# Altium PCB Power_Board_2.PcbDoc (part 6 of 6)
Units mil, origin at the board's own origin, x right, y up, seen from the top; angles counter-clockwise.
Board outline 6295 x 3940 mil, 4 copper layers (Top Layer, Layer 1, Layer 2, Bottom Layer), stack 70.112 mil thick; 302 components, 180 nets, 927 pads, 3118 vias.
Unrouted connection lines stored in the file: 443.
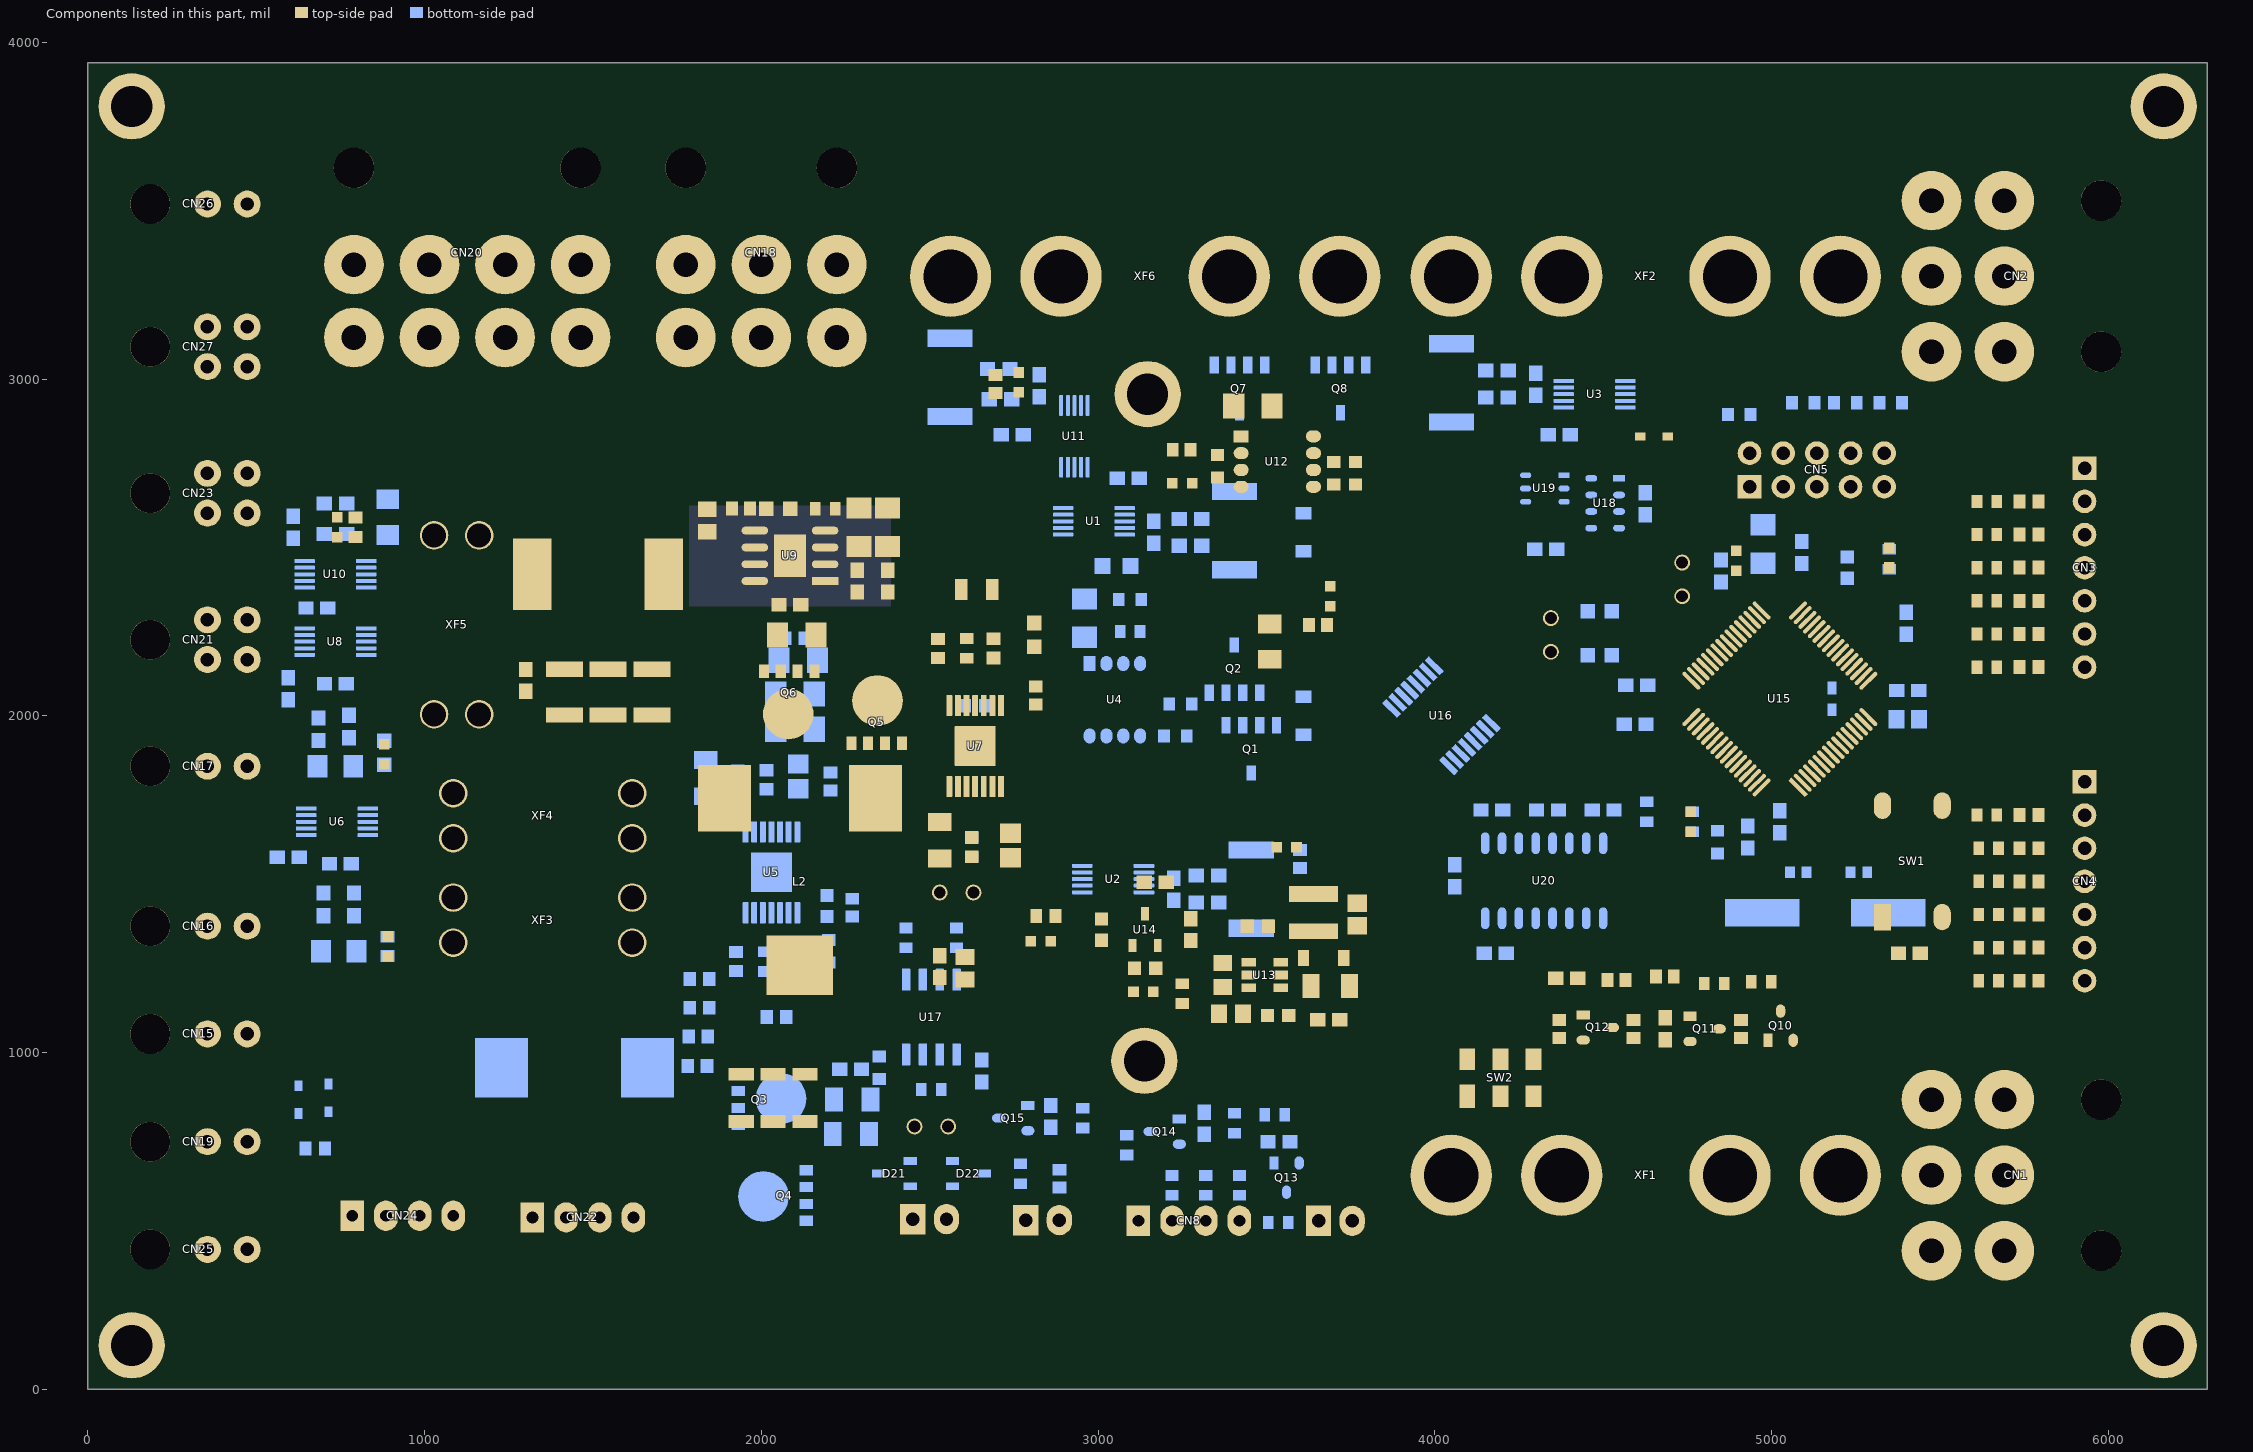
[diagram p7: the components of this part, seen from the top]

## Polygon pours and split planes (outlines as drawn) (continued)
NetR66_2 on Bottom Layer "PWR_LOW" (solid, pour order 0): 855,2570 855,2505 915,2505 cw(c915,2495) 925,2495 ccw(c935,2495) 935,2485 1165,2485 ccw(c1165,2535) 1215,2535 1215,2540 ccw(c1165,2540) 1165,2590 935.67,2590 ccw(c935.67,2579.26) 924.93,2579.26 cw(c915.67,2579.26) 915.67,2570
Motor_PWR on Bottom Layer "Batt_30A" (solid, pour order 52): 4120,2955 ccw(c4090,2955) 4090,2985 3340,2985 ccw(c3340,2965) 3320,2965 3320,2650 ccw(c3330,2650) 3330,2640 4020,2640 ccw(c4020,2740) 4120,2740
Battery1_raw on Bottom Layer "Batt_30A" (solid, pour order 4): 5575,3530 ccw(c5475,3530) 5475,3630 4760,3630 ccw(c4760,3530) 4660,3530 4660,3085 ccw(c4760,3085) 4760,2985 5480,2985 ccw(c5480,3080) 5575,3080
NetR74_2 on Bottom Layer "Batt_30A" (solid, pour order 31): 3110,3385 ccw(c3010,3385) 3010,3485 2455,3485 ccw(c2455,3390) 2360,3390 2360,3190 ccw(c2465,3190) 2465,3085 3010,3085 ccw(c3010,3185) 3110,3185
Battery1 on Bottom Layer "Batt_30A" (solid, pour order 34): 4610,3385 ccw(c4510,3385) 4510,3485 3990,3485 ccw(c3990,3385) 3890,3385 3890,3165 ccw(c3980,3165) 3980,3075 4510,3075 ccw(c4510,3175) 4610,3175
System_PWR on Bottom Layer "Batt_30A" (solid, pour order 43): 3555,1570 3555,1915 3155,1915 3155,1570
NetQ1_1 on Bottom Layer "Batt_30A" (solid, pour order 45): 3360,1940 3360,2100 3500,2100 3500,1940
16V_EXT on Bottom Layer "PWR_LOW" (solid, pour order 59): 925,2610 925,2685 ccw(c840.5,2685) 900.25,2744.75 689.29,2955.71 cw(c760,3026.42) 660,3026.42 660,3545 ccw(c630,3545) 630,3575 485,3575 ccw(c485,3520) 430,3520 430,3490 ccw(c470,3490) 470,3450 cw(c470,3385) 535,3385 535,2961.42 ccw(c635,2961.42) 564.29,2890.71 837.93,2617.07 ccw(c855,2634.14) 855,2610
12V_EXT on Bottom Layer "PWR_LOW" (solid, pour order 60): 710,1925 ccw(c685,1925) 685,1950 455,1950 ccw(c455,1925) 430,1925 430,1780 ccw(c460,1780) 460,1750 685,1750 ccw(c685,1775) 710,1775
5V_EXT on Bottom Layer "PWR_LOW" (solid, pour order 61): 480,1425 ccw(c480,1375) 430,1375 430,1275 ccw(c480,1275) 480,1225 695,1225 ccw(c695,1250) 720,1250 720,1400 ccw(c695,1400) 695,1425
System_PWR on Bottom Layer "PWR_LOW" (solid, pour order 84): 3155,1915 3150,1915 ccw(c3150,1910) 3145,1910 cw(c3140,1910) 3140,1905 2925,1905 2925,1585 3140,1585 cw(c3140,1580) 3145,1580 ccw(c3155,1580) 3155,1570
NetQ7_1 on Bottom Layer "Batt_30A" (solid, pour order 39): 3220,3085 cw(c3220,3185) 3120,3185 3120,3385 cw(c3220,3385) 3220,3485 3780,3485 cw(c3780,3385) 3880,3385 3880,3180 cw(c3785,3180) 3785,3085 3780,3085 ccw(c3780,3070) 3765,3070 3765,3010 cw(c3760,3010) 3760,3005 3570,3005 cw(c3570,3015) 3560,3015 3560,3070 ccw(c3545,3070) 3545,3085 3480,3085 ccw(c3480,3070) 3465,3070 3465,3010 cw(c3460,3010) 3460,3005 3300,3005 cw(c3300,3020) 3285,3020 3285,3060 ccw(c3260,3060) 3260,3085
no net on Bottom Solder "NONET_L-01_P-001" (solid): 3320,2865 3320,2650 ccw(c3330,2650) 3330,2640 4020,2640 ccw(c4020,2740) 4120,2740 4120,2865
NetQ1_1 on Bottom Solder "Batt_30A" (solid, pour order 40): 3360,1942.35 3360,2100 3500,2100 3500,1942.35
System_PWR on Bottom Solder "Batt_30A" (solid, pour order 41): 3555,1570 3555,1915 3355,1915 3355,1570
NetQ2_5 on Bottom Solder "Batt_30A" (solid, pour order 44): 3305,2130 3505,2130 3505,2465 3305,2465
GND on Layer 1 "GND_L02_P112" (solid, remove dead copper, pour order 112): 5,3940 6295,3940 6295,0 0,0

## Keep-outs
Keep-Out Layer:
  region: 0,3940 6295,3940 6295,0 0,0

## Other copper
Bottom Layer:
  pour cut-out: 5945,1150 ccw(c5945,1190) 5985,1190 5985,2770 ccw(c5955,2770) 5955,2800 5875,2800 5875,1150

## Silkscreen, mask and mechanical layers (free items; w line width, h text height)
Top Overlay:
  lines w10: 555,3305 625,3235 625,2990 925,2690 925,1700 565,1700 ; 560,1530 607.5,1482.5 1380,710 1600,710 1725,585 ; 647.5,2992.5 940,2700 2370,2700 2370,2985
  text "16V" at 556,3564 h36 r270
  text "Power Board 2.0 Spring 2022 Marie Nikkel" at 3000,3560 h60
  text "5V" at 556,3184 h36 r270
  text "12V" at 556,3084 h36 r270
  text "VBatt" at 864,2994 h36 r180
  text "VBatt" at 1089,2994 h36 r180
  text "VBatt" at 1309,2994 h36 r180
  text "5V" at 1489,2994 h36 r180
  text "VBatt" at 1844,2994 h36 r180
  text "VBatt" at 2079,2994 h36 r180
  text "5V" at 2254,2994 h36 r180
  text "Torpedo 30A" at 2272,2920.34 h50 r180
  text "Motors 60A" at 1357,2917 h50 r180
  text "VBatt 18V to 28V" at 2050,2800 h60 r180
  text "5V" at 556,2744 h36 r270
  text "12V" at 556,2644 h36 r270
  text "12V 10A" at 840,2590 h60 r270
  text "Dropper / Grabber" at 620,2390 h50 r270
  text "5V" at 561,2309 h36 r270
  text "12V" at 561,2209 h36 r270
  text "DVL" at 663,1917 h50 r270
  text "12V" at 556,1899 h36 r270
  text "5V" at 556,1399 h36 r270
  text "LCD" at 638,1297 h50 r270
  text "5V" at 556,1084 h36 r270
  text "Hydro" at 649.66,1027 h50 r270
  text "5V 10A" at 814.14,1020 h60 r315
  text "5V" at 556,764 h36 r270
  text "IMU" at 1351.25,608.71 h50
  text "External / Pressure" at 747.5,587.42 h50
  text "Water / Sense" at 2730.37,577.42 h50
  text "Aux Reed / Switch" at 3028.74,577.42 h50
  text "CAN" at 2381.25,573.71 h50
  text "Pwr / Reed" at 3473.74,572.42 h50
  text "5V" at 556,444 h36 r270

## Text inside footprints (layer, text, board x,y; h text height)
FB1: Mechanical 6 "Land Pattern Adapted for Flow Soldering" at 5156.38,2089.37 h1.97 r90